# KiCad board pi60_RGB_v2.0_usb.kicad_pcb (continued)
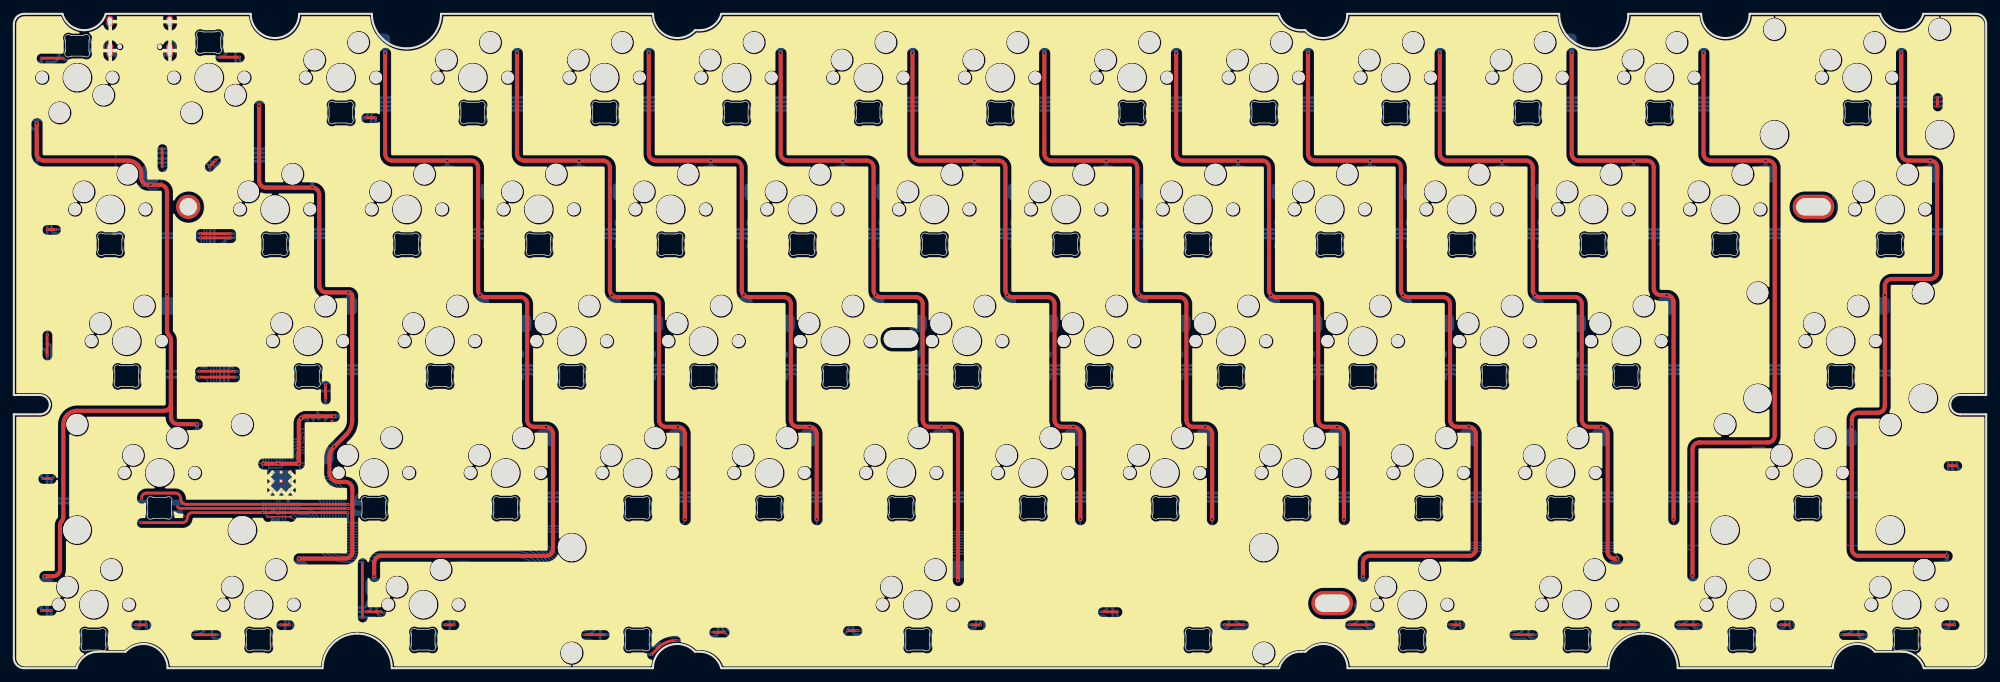
[diagram p0: board, top side]
## Nets
+1V1: C1.1 C2.1 C10.1 U2.23 U2.45 U2.50
+3V3: C3.1 C4.1 C5.1 C6.1 C7.1 C8.1 C9.1 C11.1 C12.1 C14.1 U2.1 U2.10 U2.22 U2.33 U2.42 U2.43 U2.44 U2.48 U2.49 U3.8 U5.2
+5V: C13.1 D62.1 D63.1 D64.1 D65.1 D66.1 D67.1 D68.1 D69.1 D70.1 D71.1 D72.1 D73.1 D74.1 D75.1 D76.1 D77.1 D78.1 D79.1 D80.1 D81.1 D82.1 D83.1 D84.1 D85.1 D86.1 D87.1 D88.1 D89.1 D90.1 D91.1 D92.1 D93.1 D94.1 D95.1 D96.1 D97.1 D98.1 D99.1 D100.1 D101.1 D102.1 D103.1 D104.1 D105.1 D106.1 D107.1 D108.1 D109.1 D110.1 D111.1 D112.1 D113.1 D114.1 D115.1 D116.1 D117.1 D118.1 D119.1 D120.1 D121.1 D122.1 D123.1 D125.1 D126.1 D127.1 D128.1 D129.1 D130.1 D131.1 D132.1 D133.1 D134.1 D135.1 D136.1 D137.1 D138.1 D139.1 D140.1 D141.1 D142.1 D143.1 D144.1 D145.1 D146.1 D147.1 D148.1 D149.1 D150.1 D151.1 D152.1 D153.1 D154.1 D155.1 D156.1 D157.1 D158.1 D159.1 D160.1 D161.1 D162.1 D163.1 D164.1 D165.1 F1.1 J2.1 U5.3
GND: C1.2 C2.2 C3.2 C4.2 C5.2 C6.2 C7.2 C8.2 C9.2 C10.2 C11.2 C12.2 C13.2 C14.2 C15.2 D62.3 D63.3 D64.3 D65.3 D66.3 D67.3 D68.3 D69.3 D70.3 D71.3 D72.3 D73.3 D74.3 D75.3 D76.3 D77.3 D78.3 D79.3 D80.3 D81.3 D82.3 D83.3 D84.3 D85.3 D86.3 D87.3 D88.3 D89.3 D90.3 D91.3 D92.3 D93.3 D94.3 D95.3 D96.3 D97.3 D98.3 D99.3 D100.3 D101.3 D102.3 D103.3 D104.3 D105.3 D106.3 D107.3 D108.3 D109.3 D110.3 D111.3 D112.3 D113.3 D114.3 D115.3 D116.3 D117.3 D118.3 D119.3 D120.3 D121.3 D122.3 D123.3 D125.3 D126.3 D127.3 D128.3 D129.3 D130.3 D131.3 D132.3 D133.3 D134.3 D135.3 D136.3 D137.3 D138.3 D139.3 D140.3 D141.3 D142.3 D143.3 D144.3 D145.3 D146.3 D147.3 D148.3 D149.3 D150.3 D151.3 D152.3 D153.3 D154.3 D155.3 D156.3 D157.3 D158.3 D159.3 D160.3 D161.3 D162.3 D163.3 D164.3 D165.3 J2.4 R7.1 R8.1 SW1.2 U2.19 U2.57 U3.4 U4.5 U4.8 U5.1 USB1.1 USB1.12 USB1.13 Y1.2
VCC: C15.1 F1.2 U4.1 USB1.2 USB1.11
/QSPI_SCLK: U2.52 U3.6
/QSPI_SD0: U2.53 U3.5
/QSPI_SD1: U2.55 U3.2
/QSPI_SD2: U2.54 U3.3
/QSPI_SD3: U2.51 U3.7
/QSPI_SS: R4.1 U2.56 U3.1
/RUN: U2.26
/SWCLK: U2.24
/SWD: U2.25
/XIN: U2.20 Y1.3
/XOUT: U2.21 Y1.1
C0: K1.2 K15.2 K29.2 K42.2 K54.1 U2.37
C1: K2.1 K16.2 K30.2 K43.1 K55.2 U2.3
C2: K3.2 K17.2 K31.2 K44.2 K56.1 U2.18
C3: K4.2 K18.2 K32.2 K45.2 U2.6
C4: K5.2 K19.2 K33.2 K46.2 U2.7
C5: K6.2 K20.2 K34.2 K47.2 K57.2 U2.17
C6: K7.2 K21.2 K35.2 K48.2 U2.8
C7: K8.2 K22.2 K36.2 K49.2 U2.9
C8: K9.2 K23.2 K37.2 K50.2 U2.11
C9: K10.2 K24.2 K38.2 K51.2 K58.1 U2.16
C10: K11.2 K25.2 K39.2 K52.2 K59.2 U2.15
C11: K12.2 K26.2 K40.2 U2.12
C12: K13.2 K27.2 K60.1 U2.14
C13: K14.2 K28.2 K41.2 K53.2 K61.2 U2.13
CC1: R7.2 USB1.4
CC2: R8.2 USB1.10
DN_MCU: J2.2 R2.1 U4.7
DN_USB: U4.2 USB1.5 USB1.7
DP_MCU: J2.3 R1.1 U4.6
DP_USB: U4.3 USB1.6 USB1.8
LED: D140.4 U2.40
R0: D1.1 D2.1 D3.1 D4.1 D5.1 D6.1 D7.1 D8.1 D9.1 D10.1 D11.1 D12.1 D13.1 D14.1 U2.41
R1: D15.1 D16.1 D17.1 D18.1 D19.1 D20.1 D21.1 D22.1 D23.1 D24.1 D25.1 D26.1 D27.1 D28.1 U2.39
R2: D29.1 D30.1 D31.1 D32.1 D33.1 D34.1 D35.1 D36.1 D37.1 D38.1 D39.1 D40.1 D41.1 U2.38
R3: D42.1 D43.1 D44.1 D45.1 D46.1 D47.1 D48.1 D49.1 D50.1 D51.1 D52.1 D53.1 U2.28
R4: D54.1 D55.1 D56.1 D57.1 D58.1 D59.1 D60.1 D61.1 U2.27
Net-(D1-A): D1.2 K1.1
Net-(D2-A): D2.2 K2.2
Net-(D3-A): D3.2 K3.1
Net-(D4-A): D4.2 K4.1
Net-(D5-A): D5.2 K5.1
Net-(D6-A): D6.2 K6.1
Net-(D7-A): D7.2 K7.1
Net-(D8-A): D8.2 K8.1
Net-(D9-A): D9.2 K9.1
Net-(D10-A): D10.2 K10.1
Net-(D11-A): D11.2 K11.1
Net-(D12-A): D12.2 K12.1
Net-(D13-A): D13.2 K13.1
Net-(D14-A): D14.2 K14.1
Net-(D15-A): D15.2 K15.1
Net-(D16-A): D16.2 K16.1
Net-(D17-A): D17.2 K17.1
Net-(D18-A): D18.2 K18.1
Net-(D19-A): D19.2 K19.1
Net-(D20-A): D20.2 K20.1
Net-(D21-A): D21.2 K21.1
Net-(D22-A): D22.2 K22.1
Net-(D23-A): D23.2 K23.1
Net-(D24-A): D24.2 K24.1
Net-(D25-A): D25.2 K25.1
Net-(D26-A): D26.2 K26.1
Net-(D27-A): D27.2 K27.1
Net-(D28-A): D28.2 K28.1
Net-(D29-A): D29.2 K29.1
Net-(D30-A): D30.2 K30.1
Net-(D31-A): D31.2 K31.1
Net-(D32-A): D32.2 K32.1
Net-(D33-A): D33.2 K33.1
Net-(D34-A): D34.2 K34.1
Net-(D35-A): D35.2 K35.1
Net-(D36-A): D36.2 K36.1
Net-(D37-A): D37.2 K37.1
Net-(D38-A): D38.2 K38.1
Net-(D39-A): D39.2 K39.1
Net-(D40-A): D40.2 K40.1
Net-(D41-A): D41.2 K41.1
Net-(D42-A): D42.2 K42.1
Net-(D43-A): D43.2 K43.2
Net-(D44-A): D44.2 K44.1
Net-(D45-A): D45.2 K45.1
Net-(D46-A): D46.2 K46.1
Net-(D47-A): D47.2 K47.1
Net-(D48-A): D48.2 K48.1
Net-(D49-A): D49.2 K49.1
Net-(D50-A): D50.2 K50.1
Net-(D51-A): D51.2 K51.1
Net-(D52-A): D52.2 K52.1
Net-(D53-A): D53.2 K53.1
Net-(D54-A): D54.2 K54.2
Net-(D55-A): D55.2 K55.1
Net-(D56-A): D56.2 K56.2
Net-(D57-A): D57.2 K57.1
Net-(D58-A): D58.2 K58.2
Net-(D59-A): D59.2 K59.1
Net-(D60-A): D60.2 K60.2
Net-(D61-A): D61.2 K61.1
Net-(D62-DOUT): D62.2 D63.4
Net-(D76-DIN): D76.4 D77.2
Net-(D77-DIN): D77.4 D78.2
Net-(D78-DIN): D78.4 D79.2
Net-(D79-DIN): D79.4 D80.2
Net-(D80-DIN): D80.4 D81.2
Net-(D81-DIN): D81.4 D82.2
Net-(D82-DIN): D82.4 D83.2
Net-(D83-DIN): D83.4 D84.2
Net-(D84-DIN): D84.4 D85.2
Net-(D85-DIN): D85.4 D86.2
Net-(D86-DIN): D86.4 D87.2
Net-(D87-DIN): D87.4 D88.2
Net-(D88-DIN): D88.4 D89.2
Net-(D90-DOUT): D90.2 D91.4
Net-(D91-DOUT): D91.2 D92.4
Net-(D92-DOUT): D92.2 D93.4
Net-(D93-DOUT): D93.2 D94.4
Net-(D94-DOUT): D94.2 D95.4
Net-(D95-DOUT): D95.2 D96.4
Net-(D96-DOUT): D96.2 D97.4
Net-(D97-DOUT): D97.2 D98.4
Net-(D98-DOUT): D98.2 D99.4
Net-(D100-DIN): D99.2 D100.4
Net-(D100-DOUT): D100.2 D101.4
Net-(D101-DOUT): D101.2 D102.4
Net-(D102-DOUT): D102.2 D138.4
Net-(D103-DIN): D103.4 D104.2
Net-(D103-DOUT): D103.2 D143.4
Net-(D104-DIN): D104.4 D105.2
Net-(D105-DIN): D105.4 D106.2
Net-(D106-DIN): D106.4 D107.2
Net-(D107-DIN): D107.4 D108.2
Net-(D108-DIN): D108.4 D109.2
Net-(D109-DIN): D109.4 D110.2
Net-(D110-DIN): D110.4 D111.2
Net-(D111-DIN): D111.4 D112.2
Net-(D112-DIN): D112.4 D113.2
Net-(D113-DIN): D113.4 D114.2
Net-(D114-DIN): D114.4 D139.2
Net-(D115-DIN): D115.4 D160.2
Net-(D115-DOUT): D115.2 D148.4
Net-(D116-DIN): D116.4 D161.2
Net-(D116-DOUT): D116.2 D160.4
Net-(D117-DIN): D117.4 D118.2
Net-(D117-DOUT): D117.2 D161.4
Net-(D118-DIN): D118.4 D162.2
Net-(D119-DIN): D119.4 D149.2
Net-(D119-DOUT): D119.2 D162.4
Net-(D120-DIN): D120.4 D145.2
Net-(D120-DOUT): D120.2 D144.4
Net-(D121-DIN): D121.4 D146.2
Net-(D121-DOUT): D121.2 D157.4
Net-(D122-DIN): D122.4 D147.2
Net-(D122-DOUT): D122.2 D158.4
Net-(D123-DIN): D63.2 D123.4
Net-(D123-DOUT): D64.4 D123.2
Net-(D125-DIN): D64.2 D125.4
Net-(D125-DOUT): D65.4 D125.2
Net-(D126-DIN): D65.2 D126.4
Net-(D126-DOUT): D66.4 D126.2
Net-(D127-DIN): D66.2 D127.4
Net-(D127-DOUT): D67.4 D127.2
Net-(D128-DIN): D67.2 D128.4
Net-(D128-DOUT): D68.4 D128.2
Net-(D129-DIN): D68.2 D129.4
Net-(D129-DOUT): D69.4 D129.2
Net-(D130-DIN): D69.2 D130.4
Net-(D130-DOUT): D70.4 D130.2
Net-(D131-DIN): D70.2 D131.4
Net-(D131-DOUT): D71.4 D131.2
Net-(D132-DIN): D71.2 D132.4
Net-(D132-DOUT): D72.4 D132.2
Net-(D133-DIN): D72.2 D133.4
Net-(D133-DOUT): D73.4 D133.2
Net-(D134-DIN): D73.2 D134.4
Net-(D134-DOUT): D74.4 D134.2
Net-(D135-DIN): D74.2 D135.4
Net-(D135-DOUT): D75.4 D135.2
Net-(D136-DIN): D75.2 D136.4
Net-(D136-DOUT): D136.2 D137.4
Net-(D137-DOUT): D89.4 D137.2
Net-(D138-DOUT): D138.2 D139.4
Net-(D140-DOUT): D62.4 D140.2
Net-(D141-DIN): D76.2 D141.4
Net-(D141-DOUT): D141.2 D142.4
Net-(D142-DOUT): D90.4 D142.2
Net-(D143-DOUT): D143.2 D144.2
Net-(D145-DIN): D145.4 D157.2
Net-(D146-DIN): D146.4 D158.2
Net-(D147-DIN): D147.4 D159.2
Net-(D148-DOUT): D148.2 D159.4
Net-(D149-DIN): D149.4 D150.2
Net-(D150-DIN): D150.4 D163.2
Net-(D151-DIN): D151.4 D164.2
Net-(D151-DOUT): D151.2 D163.4
Net-(D152-DIN): D152.4 D153.2
Net-(D152-DOUT): D152.2 D164.4
Net-(D153-DIN): D153.4 D165.2
Net-(D154-DIN): D154.4 D155.2
Net-(D154-DOUT): D154.2 D165.4
Net-(D155-DIN): D155.4 D156.2
Net-(R4-Pad2): R4.2 SW1.1
Net-(U2-USB_DM): R2.2 U2.46
Net-(U2-USB_DP): R1.2 U2.47

Pads without a net: D156 4; J2 NC1 NC2; U2 2 4 5 29 30 31 32 34 35 36; U3 9; U4 4; USB1 3 9

## Via types
v1: diameter 0.4, hole 0.2, Top to Bottom, 199 vias
v2: diameter 0.6, hole 0.3, Top to Bottom, 76 vias

## Routing (per net, layer and track width the routed paths; a pad name or vN(x,y) marks a point on that pad's centre or on a via; arc(x,y) is an arc through that point)
+1V1: length 18.5
  Bottom w0.2: 37.39,22.88 37.72,22.88 arc(37.93,22.97) 38.02,23.18 U2.23 38.02,24.85 arc(37.93,25.07) 37.72,25.15 37.02,25.15 arc(36.81,25.24) 36.72,25.45 36.72,28.66 arc(36.81,28.87) 37.02,28.96 ; 37.02,28.96 38.52,28.96 arc(38.73,29.05) 38.82,29.26 U2.50 38.82,31.81 arc(38.91,32.26) 39.17,32.65 arc(39.42,33.03) 39.52,33.49 C1.1 ; 37.02,28.96 arc(36.88,29.02) 36.82,29.16 U2.45 36.82,32.03 arc(36.76,32.18) 36.62,32.23 C10.1
+3V3: length 58.3
  Top w0.6: v2(36.06,29.56) v2(38.22,29.56) v2(41.18,29.56) 41.18,35.42 arc(41.47,36.13) 42.18,36.42 v2(46.26,36.42)
  Bottom w0.2: v2(36.06,29.56) 35.92,29.42 35.92,26.36 arc(35.83,26.15) 35.62,26.06 U2.33 34.27,26.06 C5.1 ; v2(36.06,29.56) 35.96,29.66 U2.42 34.06,29.66 ; v2(36.06,29.56) 36.02,29.6 U2.43 36.02,30.93 arc(35.96,31.08) 35.82,31.13 34.26,31.13 arc(34.11,31.08) 34.06,30.93 C8.1 ; v2(36.06,29.56) 36.26,29.76 arc(36.38,29.93) 36.42,30.14 U2.44 36.42,31.41 arc(36.36,31.56) 36.22,31.61 C11.1 ; U3.8 42.47,35.99 ; 38.49,32.54 38.61,32.66 arc(38.67,32.74) 38.69,32.83 C3.1 ; 38.49,32.54 38.09,32.14 arc(38.04,32.06) 38.02,31.96 U2.48 38.02,29.88 arc(38.04,29.77) 38.11,29.67 v2(38.22,29.56) 38.33,29.68 arc(38.4,29.77) 38.42,29.89 U2.49 38.42,32.36 arc(38.44,32.46) 38.49,32.54 ; 43.13,29.66 U2.1 41.28,29.66 v2(41.18,29.56) 41.32,29.42 41.32,26.36 arc(41.41,26.15) 41.62,26.06 ; 38.42,22.37 U2.22 38.42,24.86 arc(38.51,25.07) 38.72,25.16 41.02,25.16 arc(41.23,25.25) 41.32,25.46 41.32,25.76 arc(41.41,25.97) 41.62,26.06 ; 41.62,26.06 U2.10 44.9,26.06 C6.1
  Bottom w0.4: U5.2 47.29,35.51 C14.1
  Bottom w0.6: C12.1 v2(41.49,36.14) ; U5.2 v2(46.26,36.42)
+5V: length 2153.6
  Top w0.4: v1(240.59,6.26) v1(243.3,6.26) ; v1(231.55,6.26) 234.28,6.26 v1(234.28,6.26) ; v1(264.41,4.83) 267.13,4.83 ; v1(50.96,8.15) 53.03,8.15 ; v1(157.32,8.15) v1(159.42,8.15) ; v1(17.65,6.26) v1(19.1,6.26) ; v1(120.48,5.43) 120.49,5.43 v1(121.85,5.43) ; v1(6.04,63.41) v1(4.81,63.41) ; v1(38.6,6.26) v1(39.8,6.26) ; v1(62.41,6.26) v1(63.61,6.26) ; v1(256.61,6.26) v1(255.37,6.26) ; v1(82.63,4.83) v1(85.33,4.83) ; v1(277.96,82.46) v1(277.96,81.26) ; v1(29.8,88.34) 32.5,88.34 ; v1(50.87,79.57) v1(52.25,79.57) ; v1(3.96,8.34) v1(5.41,8.34) ; v1(208.98,6.26) v1(207.74,6.26) ; v1(48.21,23.69) 24.93,23.69 arc(24.36,23.93) 24.12,24.5 arc(23.88,25.08) 23.31,25.31 19.16,25.31 arc(18.66,25.11) 18.46,24.61 v1(18.46,24.53) ; v1(45.04,38.88) v1(45.04,40.85) ; v1(280.38,6.26) v1(279.18,6.26) ; v1(138.47,6.26) v1(139.69,6.26) ; v1(4.21,27.4) v1(5.41,27.4) ; v1(3.96,88.18) v1(7.1,88.18) ; v1(29.22,4.83) v1(26.28,4.83) ; v1(4.81,48.15) v1(4.81,45.25) ; v1(101.16,5.2) v1(102.66,5.2) ; v1(279.54,29.28) v1(280.77,29.28) ; v1(216.77,4.83) 219.49,4.83 ; v1(193.03,6.26) 195.97,6.26 ; v1(174.98,6.26) v1(177.71,6.26)
  Bottom w0.4: 134.03,85.18 134.03,83.45 arc(134.32,82.74) 135.03,82.45 149.37,82.45 arc(150.08,82.74) 150.37,83.45 150.37,85.31 arc(150.7,86.1) 151.5,86.43 151.82,86.43 arc(152.27,86.25) 152.45,85.81 ; 134.03,85.18 134.03,83.44 arc(134.32,82.73) 135.03,82.44 ; 134.03,85.18 arc(133.84,85.63) 133.4,85.81 ; 134.03,85.18 arc(133.84,85.63) 133.4,85.81 ; v1(267.14,4.83) 270.84,4.83 ; 256.61,8.78 256.61,6.33 arc(257.05,5.27) 258.11,4.83 v1(264.41,4.83) arc(265.47,5.27) 265.91,6.33 265.91,8.78 ; v1(121.85,5.43) 126.65,5.43 arc(127.38,5.28) D116.1 127.99,5.26 arc(128.29,5.97) 128.99,6.26 138.46,6.26 ; D79.1 73.23,62.41 arc(73.52,63.12) 74.23,63.41 90.08,63.41 arc(91.21,62.95) 91.67,61.82 ; 114.98,85.18 114.98,83.45 arc(115.27,82.74) 115.98,82.45 130.33,82.45 arc(131.03,82.74) 131.33,83.45 131.33,85.31 arc(131.65,86.1) 132.45,86.43 132.78,86.43 arc(133.22,86.25) 133.4,85.81 ; 114.98,85.18 114.98,83.44 arc(115.27,82.73) 115.98,82.44 ; 114.98,85.18 arc(114.79,85.63) 114.35,85.81 arc(114.79,85.63) 114.98,85.18 ; 266.54,41.47 266.54,41.07 arc(266.25,40.37) 265.54,40.07 260.54,40.07 arc(259.84,40.37) 259.54,41.07 259.54,41.66 arc(259.1,42.72) 258.04,43.16 238.29,43.16 arc(237.23,42.72) 236.79,41.66 236.79,41.65 arc(236.73,41.52) 236.61,41.47 235.59,41.47 235.59,41.07 arc(235.29,40.37) 234.59,40.07 229.59,40.07 arc(228.88,40.37) 228.59,41.07 228.59,41.66 arc(228.15,42.72) 227.09,43.16 219.24,43.16 arc(218.18,42.72) 217.74,41.66 217.74,41.65 arc(217.68,41.52) 217.56,41.47 216.54,41.47 216.54,41.07 arc(216.24,40.37) 215.54,40.07 210.54,40.07 arc(209.83,40.37) 209.54,41.07 209.54,41.66 arc(209.1,42.72) 208.04,43.16 200.19,43.16 arc(199.13,42.72) 198.69,41.66 198.69,41.65 arc(198.63,41.52) 198.51,41.47 197.49,41.47 197.49,41.07 arc(197.19,40.37) 196.49,40.07 191.49,40.07 arc(190.78,40.37) 190.49,41.07 190.49,41.66 arc(190.05,42.72) 188.99,43.16 181.14,43.16 arc(180.08,42.72) 179.64,41.66 179.64,41.65 arc(179.58,41.52) 179.46,41.47 178.44,41.47 178.44,41.07 arc(178.14,40.37) 177.44,40.07 172.44,40.07 arc(171.73,40.37) 171.44,41.07 171.44,41.66 arc(171,42.72) 169.94,43.16 162.09,43.16 arc(161.03,42.72) 160.59,41.66 160.59,41.65 arc(160.53,41.52) 160.41,41.47 159.39,41.47 159.39,41.07 arc(159.09,40.37) 158.39,40.07 153.39,40.07 arc(152.68,40.37) 152.39,41.07 152.39,41.66 arc(151.95,42.72) 150.89,43.16 143.04,43.16 arc(141.98,42.72) 141.54,41.66 141.54,41.65 arc(141.48,41.52) 141.36,41.47 140.34,41.47 140.34,41.07 arc(140.04,40.37) 139.34,40.07 134.34,40.07 arc(133.63,40.37) 133.34,41.07 133.34,41.66 arc(132.9,42.72) 131.84,43.16 123.99,43.16 arc(122.93,42.72) 122.49,41.66 122.49,41.65 arc(122.43,41.52) 122.31,41.47 121.29,41.47 121.29,41.07 arc(120.99,40.37) 120.29,40.07 115.29,40.07 arc(114.58,40.37) 114.29,41.07 114.29,41.66 arc(113.85,42.72) 112.79,43.16 104.94,43.16 arc(103.88,42.72) 103.44,41.66 103.44,41.65 arc(103.38,41.52) 103.26,41.47 102.24,41.47 102.24,41.07 arc(101.94,40.37) 101.24,40.07 96.24,40.07 arc(95.53,40.37) 95.24,41.07 95.24,41.66 arc(94.8,42.72) 93.74,43.16 85.89,43.16 arc(84.83,42.72) 84.39,41.66 84.39,41.65 arc(84.33,41.52) 84.21,41.47 83.19,41.47 83.19,41.07 arc(82.89,40.37) 82.19,40.07 77.19,40.07 arc(76.48,40.37) 76.19,41.07 76.19,41.66 arc(75.75,42.72) 74.69,43.16 66.84,43.16 arc(65.78,42.72) 65.34,41.66 65.34,41.65 arc(65.28,41.52) 65.16,41.47 64.14,41.47 64.14,41.07 arc(63.84,40.37) 63.14,40.07 58.14,40.07 arc(57.43,40.37) 57.14,41.07 57.14,41.66 arc(56.7,42.72) 55.64,43.16 47.79,43.16 arc(46.73,42.72) 46.29,41.66 46.29,41.65 arc(46.23,41.52) 46.11,41.47 45.09,41.47 ; D153.1 245.84,4.87 arc(245.53,4.93) 245.27,5.1 244.54,5.84 arc(244.07,6.15) 243.51,6.26 v1(243.3,6.26) ; 95.93,85.2 95.93,83.46 arc(96.22,82.76) 96.93,82.46 111.28,82.46 arc(111.98,82.76) 112.28,83.46 112.28,85.32 arc(112.6,86.12) 113.4,86.45 113.73,86.45 arc(114.17,86.27) D128.1 ; 95.93,85.2 95.93,83.46 arc(96.22,82.75) 96.93,82.46 ; 95.93,85.2 arc(95.74,85.64) D127.1 ; 95.93,85.2 arc(95.74,85.64) D127.1 ; D150.1 208.98,6.33 arc(209.41,5.27) 210.48,4.83 v1(216.77,4.83) arc(217.84,5.27) 218.27,6.33 D163.1 ; D62.1 11.75,88.84 arc(11.46,88.13) 10.75,87.84 7.93,87.84 arc(7.48,87.93) v1(7.1,88.19) ; D139.1 281.04,28.81 280.9,28.95 arc(280.8,29.1) v1(280.77,29.28) 280.77,34.78 arc(280.57,35.75) 280.02,36.58 279.84,36.76 arc(279.43,37.38) 279.28,38.11 arc(279.43,38.84) 279.84,39.46 280.47,40.09 arc(281.35,41.41) 281.66,42.97 281.66,47.1 arc(281.48,47.54) D138.1 ; 17.65,6.26 12.85,6.26 12.73,6.26 9.93,6.26 arc(9.22,5.97) 8.93,5.26 D120.1 6.41,4.87 arc(5.71,5.16) 5.41,5.87 v1(5.41,8.34) ; D89.1 268.49,62.41 arc(268.78,63.11) 269.49,63.41 278.55,63.41 arc(279.25,63.7) 279.55,64.41 279.55,67.2 arc(279.72,67.63) 280.15,67.8 280.3,67.8 arc(280.84,68.03) 281.06,68.56 281.06,80.26 arc(280.77,80.96) 280.06,81.26 271.62,81.26 arc(270.56,80.82) 270.12,79.76 270.12,79.75 arc(270.07,79.62) 269.94,79.57 268.92,79.57 268.92,79.17 arc(268.63,78.47) 267.92,78.17 262.92,78.17 arc(262.22,78.47) 261.92,79.17 261.92,79.76 arc(261.49,80.82) 260.42,81.26 243.05,81.26 arc(241.99,80.82) 241.55,79.76 241.55,79.75 arc(241.5,79.62) 241.37,79.57 D74.1 ; D78.1 54.18,62.41 arc(54.47,63.12) 55.18,63.41 71.03,63.41 arc(72.16,62.95) 72.62,61.82 ; 57.83,85.2 57.83,83.46 arc(58.12,82.76) 58.83,82.46 73.18,82.46 arc(73.88,82.76) 74.18,83.46 74.18,85.32 arc(74.5,86.12) 75.3,86.45 75.63,86.45 arc(76.07,86.27) D126.1 ; 57.83,85.2 57.83,83.46 arc(58.12,82.75) 58.83,82.46 ; 57.83,85.2 arc(57.64,85.64) D125.1 ; 57.83,85.2 arc(57.64,85.64) D125.1 ; D121.1 32.74,5.26 arc(33.04,5.97) 33.74,6.26 38.59,6.26 ; D80.1 92.28,62.41 arc(92.57,63.12) 93.28,63.41 109.13,63.41 arc(110.26,62.95) 110.72,61.82 ; v1(255.37,6.26) 248.07,6.26 arc(247.36,5.97) 247.07,5.26 247.07,4.87 ; 191.17,85.18 191.17,83.45 arc(191.47,82.74) 192.17,82.45 206.52,82.45 arc(207.23,82.74) 207.52,83.45 207.52,85.31 arc(207.85,86.1) 208.65,86.43 208.97,86.43 arc(209.42,86.25) 209.6,85.81 ; 191.17,85.18 191.17,83.44 arc(191.47,82.73) 192.17,82.44 ; 191.17,85.18 arc(190.99,85.63) 190.55,85.81 ; 191.17,85.18 arc(190.99,85.63) 190.55,85.81 ; D164.1 232.78,7.76 arc(233.22,6.7) v1(234.28,6.26) v1(240.59,6.26) arc(241.65,6.7) 242.09,7.76 D152.1 ; D122.1 56.56,5.26 arc(56.85,5.97) 57.56,6.26 62.4,6.26 ; 48.41,23.69 49.18,23.69 D104.1 ; D68.1 126.05,79.17 arc(125.76,78.47) 125.05,78.17 120.05,78.17 arc(119.34,78.47) 119.05,79.17 119.05,79.76 arc(118.61,80.82) 117.55,81.26 109.7,81.26 arc(108.64,80.82) 108.2,79.76 108.2,79.75 arc(108.15,79.62) 108.02,79.57 D67.1 107,79.17 arc(106.71,78.47) 106,78.17 101,78.17 arc(100.29,78.47) 100,79.17 100,79.76 arc(99.56,80.82) 98.5,81.26 90.65,81.26 arc(89.59,80.82) 89.15,79.76 89.15,79.75 arc(89.1,79.62) 88.97,79.57 D66.1 87.95,79.17 arc(87.66,78.47) 86.95,78.17 81.95,78.17 arc(81.24,78.47) 80.95,79.17 80.95,79.76 arc(80.51,80.82) 79.45,81.26 71.6,81.26 arc(70.54,80.82) 70.1,79.76 70.1,79.75 arc(70.05,79.62) 69.92,79.57 D65.1 68.9,79.17 arc(68.61,78.47) 67.9,78.17 62.9,78.17 arc(62.19,78.47) 61.9,79.17 61.9,79.76 arc(61.46,80.82) 60.4,81.26 52.55,81.26 arc(51.49,80.82) 51.05,79.76 51.05,79.75 arc(51,79.62) v1(50.87,79.57) D64.1 ; 207.74,6.26 v1(207.74,6.26) 200.43,6.26 arc(199.72,5.97) 199.43,5.26 D149.1 ; D141.1 v1(4.81,48.15) D142.1 ; D145.1 v1(19.1,6.26) arc(19.52,5.25) 20.53,4.83 v1(26.28,4.83) arc(27.34,5.27) 27.78,6.33 D157.1 ; 153.07,85.18 153.07,83.44 arc(153.37,82.73) 154.07,82.44 ; 153.07,85.18 153.07,83.45 arc(153.37,82.74) 154.07,82.45 168.42,82.45 arc(169.13,82.74) 169.42,83.45 169.42,85.31 arc(169.75,86.1) 170.55,86.43 170.87,86.43 arc(171.32,86.25) 171.5,85.81 ; 153.07,85.18 arc(152.89,85.63) 152.45,85.81 ; 153.07,85.18 arc(152.89,85.63) 152.45,85.81 ; D162.1 176.21,7.76 arc(176.65,6.7) v1(177.71,6.26) v1(193.03,6.26) arc(194.09,6.7) 194.53,7.76 D119.1 ; v1(4.21,27.4) 3.96,27.65 D143.1 ; D81.1 111.33,62.41 arc(111.62,63.12) 112.33,63.41 128.18,63.41 arc(129.31,62.95) 129.77,61.82 ; v1(174.98,6.26) 169.47,6.26 arc(168.77,5.97) 168.47,5.26 D118.1 160.43,4.87 arc(159.72,5.16) 159.43,5.87 159.43,8.15 v1(159.42,8.15) ; 229.27,85.2 229.27,83.46 arc(229.57,82.76) 230.27,82.46 249.39,82.46 arc(250.09,82.76) 250.39,83.46 250.39,85.32 arc(250.72,86.12) 251.51,86.45 251.84,86.45 arc(252.28,86.27) D135.1 arc(252.9,85.64) 253.09,85.2 253.09,83.46 arc(253.38,82.76) 254.09,82.46 v1(277.96,82.46) arc(278.67,82.76) 278.96,83.46 278.96,85.32 arc(279.29,86.12) 280.09,86.45 280.41,86.45 arc(280.85,86.27) D136.1 281.14,85.82 arc(281.93,85.5) 282.26,84.7 282.26,67.04 arc(281.93,66.25) 281.14,65.92 D137.1 ; 229.27,85.2 229.27,83.46 arc(229.57,82.75) 230.27,82.46 ; 229.27,85.2 arc(229.09,85.64) D134.1 arc(229.09,85.64) 229.27,85.2 ; 6.31,43.16 10.39,43.16 arc(11.45,42.72) 11.89,41.66 11.89,41.07 arc(12.19,40.37) 12.89,40.07 17.89,40.07 arc(18.6,40.37) 18.89,41.07 18.89,41.47 ; 6.31,43.16 arc(5.25,43.6) 4.81,44.66 v1(4.81,45.25) arc(4.52,45.96) 3.81,46.25 3.56,46.25 arc(3.33,46.3) 3.13,46.43 3.11,46.45 arc(2.98,46.65) 2.94,46.87 arc(2.98,47.1) 3.11,47.3 3.14,47.32 arc(3.29,47.55) 3.34,47.81 3.34,77.21 arc(3.09,77.82) 2.49,78.06 arc(1.88,78.31) 1.63,78.92 1.63,86.61 arc(1.93,87.32) 2.63,87.61 D140.1 v1(3.96,88.18) ; 6.31,43.16 arc(5.98,43.02) 5.85,42.69 5.85,30.3 ; 270.88,4.87 270.88,5.26 arc(271.17,5.97) 271.88,6.26 279.18,6.26 ; 29.24,4.83 32.73,4.83 ; D148.1 87.51,5.26 arc(87.81,5.97) 88.51,6.26 93.58,6.26 arc(93.95,6.11) 94.11,5.73 arc(94.27,5.36) 94.64,5.2 v1(101.16,5.2) ; v1(18.46,24.53) D103.1 17.32,23.92 arc(16.96,23.99) 16.65,24.2 arc(16.34,24.41) 15.97,24.48 6.41,24.48 arc(5.71,24.77) 5.41,25.48 v1(5.41,27.4) arc(5.72,27.53) 5.85,27.83 5.85,30.3 ; F1.1 19.6,77.18 19.6,75.23 arc(19.81,74.7) 20.35,74.48 42.93,74.48 arc(43.31,74.56) 43.64,74.78 44.69,75.83 ; D151.1 223.24,5.26 arc(223.54,5.97) 224.24,6.26 231.54,6.26 v1(231.55,6.26) ; 210.22,85.18 210.22,83.44 arc(210.52,82.73) 211.22,82.44 ; 210.22,85.18 210.22,83.45 arc(210.52,82.74) 211.22,82.45 225.57,82.45 arc(226.28,82.74) 226.57,83.45 226.57,85.31 arc(226.9,86.1) 227.7,86.43 228.02,86.43 arc(228.47,86.25) 228.65,85.81 ; 210.22,85.18 arc(210.04,85.63) 209.6,85.81 ; 210.22,85.18 arc(210.04,85.63) 209.6,85.81 ; 172.12,85.18 172.12,83.44 arc(172.42,82.73) 173.12,82.44 ; 172.12,85.18 172.12,83.45 arc(172.42,82.74) 173.12,82.45 187.47,82.45 arc(188.18,82.74) 188.47,83.45 188.47,85.31 arc(188.8,86.1) 189.6,86.43 189.92,86.43 arc(190.37,86.25) 190.55,85.81 ; 172.12,85.18 arc(171.94,85.63) 171.5,85.81 ; 172.12,85.18 arc(171.94,85.63) 171.5,85.81 ; v1(52.25,79.57) 52.25,77.57 arc(51.81,76.51) 50.75,76.07 46.25,76.07 ; v1(280.38,6.26) 280.38,8.75 ; 126.05,79.55 127.07,79.55 arc(127.2,79.61) 127.25,79.73 127.25,79.74 arc(127.69,80.8) 128.75,81.24 136.6,81.24 arc(137.66,80.8) 138.1,79.74 138.1,79.16 arc(138.39,78.45) 139.1,78.16 144.1,78.16 arc(144.81,78.45) 145.1,79.16 145.1,79.55 146.12,79.55 arc(146.25,79.61) 146.3,79.73 146.3,79.74 arc(146.74,80.8) 147.8,81.24 155.65,81.24 arc(156.71,80.8) 157.15,79.74 157.15,79.16 arc(157.44,78.45) 158.15,78.16 163.15,78.16 arc(163.86,78.45) 164.15,79.16 164.15,79.55 165.17,79.55 arc(165.3,79.61) 165.35,79.73 165.35,79.74 arc(165.79,80.8) 166.85,81.24 174.7,81.24 arc(175.76,80.8) 176.2,79.74 176.2,79.16 arc(176.49,78.45) 177.2,78.16 182.2,78.16 arc(182.91,78.45) 183.2,79.16 183.2,79.55 184.22,79.55 arc(184.35,79.61) 184.4,79.73 184.4,79.74 arc(184.84,80.8) 185.9,81.24 193.75,81.24 arc(194.81,80.8) 195.25,79.74 195.25,79.16 arc(195.54,78.45) 196.25,78.16 201.25,78.16 arc(201.96,78.45) 202.25,79.16 202.25,79.55 203.27,79.55 arc(203.4,79.61) 203.45,79.73 203.45,79.74 arc(203.89,80.8) 204.95,81.24 212.8,81.24 arc(213.86,80.8) 214.3,79.74 214.3,79.16 arc(214.59,78.45) 215.3,78.16 220.3,78.16 arc(221.01,78.45) 221.3,79.16 221.3,79.55 222.32,79.55 arc(222.45,79.61) 222.5,79.73 222.5,79.74 arc(222.94,80.8) 224,81.24 231.85,81.24 arc(232.91,80.8) 233.35,79.74 233.35,79.16 arc(233.64,78.45) 234.35,78.16 239.35,78.16 arc(240.06,78.45) 240.35,79.16 240.35,79.55 ; 47.02,64.41 47.02,75.3 arc(46.79,75.84) 46.25,76.07 ; 47.02,64.41 arc(47.31,63.71) 48.02,63.41 51.98,63.41 arc(53.11,62.95) 53.57,61.82 ; 47.02,64.41 arc(46.72,63.71) 46.02,63.41 36.13,63.41 arc(35.42,63.12) 35.13,62.41 D77.1 ; 5.85,30.3 arc(5.55,29.59) 4.85,29.3 3.86,29.3 arc(3.07,28.97) 2.74,28.18 2.74,14.78 arc(2.66,14.41) 2.45,14.1 arc(2.25,13.78) 2.17,13.41 2.17,10.43 arc(2.58,9.44) 3.57,9.03 3.57,9.03 3.82,8.78 D144.1 3.96,8.35 ; v1(63.61,6.26) 63.61,7.47 arc(63.75,7.83) 64.11,7.97 64.18,7.97 arc(64.7,8.08) 65.15,8.37 65.43,8.66 arc(65.56,8.74) 65.71,8.78 D147.1 65.88,8.64 65.98,8.53 arc(66.09,8.37) 66.13,8.18 66.13,6.33 arc(66.56,5.27) 67.63,4.83 v1(82.63,4.83) arc(83.69,5.27) 84.13,6.33 D159.1 ; v1(195.98,6.26) 197.34,6.26 arc(198.4,5.82) 198.84,4.76 ; D83.1 149.43,62.41 arc(149.72,63.12) 150.43,63.41 166.28,63.41 arc(167.41,62.95) 167.87,61.82 ; 102.36,8.75 102.36,6.1 arc(102.8,5.04) 103.86,4.6 119.14,4.6 arc(120.2,5.04) 120.64,6.1 D160.1 ; v1(85.33,4.83) 87.48,4.83 ; 46.25,76.07 45.65,76.07 arc(45.45,76.03) 45.27,75.91 ; v1(32.61,88.34) 32.61,88.23 arc(32.9,87.52) 33.61,87.23 36.85,87.23 arc(37.77,86.85) 38.15,85.93 D123.1 arc(38.59,85.64) 38.78,85.2 38.78,83.46 arc(39.07,82.76) 39.78,82.46 54.13,82.46 arc(54.83,82.76) 55.13,83.46 55.13,85.32 arc(55.45,86.12) 56.25,86.45 56.58,86.45 arc(57.02,86.27) D125.1 ; 266.98,41.47 267.58,42.08 arc(267.91,42.29) 268.29,42.37 272.53,42.37 arc(273.24,42.08) 273.53,41.37 273.53,39.05 arc(273.71,38.15) 274.22,37.39 arc(274.98,36.88) 275.88,36.7 277.27,36.7 277.41,36.7 277.71,36.66 278,36.58 278.27,36.47 278.53,36.32 278.76,36.14 278.87,36.03 278.97,35.93 279.15,35.69 279.3,35.43 279.42,35.16 279.49,34.87 279.53,34.58 279.54,34.43 279.54,26.31 arc(279.24,25.61) 278.54,25.31 257.58,25.31 arc(256.87,25.02) 256.58,24.31 D114.1 ; D63.1 30.8,89.34 arc(30.51,88.63) v1(29.8,88.34) 24.42,88.34 ; 76.88,85.2 76.88,83.46 arc(77.17,82.75) 77.88,82.46 ; 76.88,85.2 76.88,83.46 arc(77.17,82.76) 77.88,82.46 92.23,82.46 arc(92.93,82.76) 93.23,83.46 93.23,85.32 arc(93.55,86.12) 94.35,86.45 94.68,86.45 arc(95.12,86.27) D127.1 ; 76.88,85.2 arc(76.69,85.64) D126.1 ; 76.88,85.2 arc(76.69,85.64) D126.1 ; 24.42,88.34 arc(23.71,88.63) 23.42,89.34 23.42,89.89 arc(23.16,90.52) 22.52,90.79 13.88,90.79 arc(13.24,90.52) 12.98,89.89 arc(12.79,89.43) 12.33,89.23 ; 24.42,88.34 arc(23.71,88.04) 23.42,87.34 23.42,87.03 arc(23.3,86.74) 23.02,86.63 23.02,86.63 arc(22.64,86.55) 22.33,86.34 22.25,86.27 arc(21.99,85.87) 21.89,85.4 21.89,82.57 arc(21.72,82.15) 21.29,81.97 arc(20.86,81.79) 20.68,81.37 20.68,78.68 arc(20.61,78.3) 20.39,77.98 ; v1(45.04,38.88) C13.1 45.04,38.17 arc(45.11,37.79) 45.33,37.46 ; 56.02,4.87 55.95,4.94 55.95,5.97 arc(55.36,7.39) 53.95,7.97 53.46,7.97 arc(53.23,8.02) v1(53.04,8.15) ; 250.44,63.41 266.29,63.41 arc(267.42,62.95) 267.89,61.82 ; D82.1 130.38,62.41 arc(130.67,63.12) 131.38,63.41 147.23,63.41 arc(148.36,62.95) 148.82,61.82 ; v1(139.69,6.26) D161.1 arc(139.88,8.33) 140.32,8.15 v1(157.32,8.15) arc(157.77,8.33) D117.1 ; v1(39.8,6.26) 39.8,7.47 arc(39.94,7.83) 40.3,7.97 40.37,7.97 arc(40.89,8.08) 41.33,8.37 41.62,8.66 arc(41.75,8.74) 41.9,8.78 D146.1 arc(42.25,8.33) 42.69,8.15 v1(50.96,8.15) arc(51.4,8.33) D158.1 ; v1(45.04,40.85) 45.04,41.42 ; v1(219.5,4.83) 223.2,4.83 ; 261.53,63.37 245.67,63.37 arc(244.97,63.08) 244.67,62.37 ; v1(6.04,63.41) 9.22,63.41 arc(10.28,62.97) 10.72,61.91 ; 206.57,62.41 arc(206.87,63.12) 207.57,63.41 223.43,63.41 arc(224.56,62.95) 225.02,61.82 ; 182.16,23.72 arc(181.69,24.85) 180.56,25.31 164.71,25.31 arc(164.01,25.02) 163.71,24.31 ; 244.07,61.82 arc(243.61,62.95) 242.48,63.41 226.62,63.41 arc(225.92,63.12) 225.62,62.41 ; 125.01,23.72 arc(124.54,24.85) 123.41,25.31 107.56,25.31 arc(106.86,25.02) 106.56,24.31 ; 49.41,24.31 arc(49.71,25.02) 50.41,25.31 66.26,25.31 arc(67.39,24.85) 67.86,23.72 ; 205.97,61.82 arc(205.51,62.95) 204.38,63.41 188.52,63.41 arc(187.82,63.12) 187.52,62.41 ; 86.91,23.72 arc(86.44,24.85) 85.31,25.31 69.46,25.31 arc(68.76,25.02) 68.46,24.31 ; 105.96,23.72 arc(105.49,24.85) 104.36,25.31 88.51,25.31 arc(87.81,25.02) 87.51,24.31 ; 144.06,23.72 arc(143.59,24.85) 142.46,25.31 126.61,25.31 arc(125.91,25.02) 125.61,24.31 ; 163.11,23.72 arc(162.64,24.85) 161.51,25.31 145.66,25.31 arc(144.96,25.02) 144.66,24.31 ; 255.98,23.72 arc(255.51,24.85) 254.38,25.31 221.86,25.31 arc(221.16,25.02) 220.86,24.31 ; 201.81,24.31 arc(202.11,25.02) 202.81,25.31 218.66,25.31 arc(219.79,24.85) 220.26,23.72 ; 186.92,61.82 arc(186.46,62.95) 185.33,63.41 169.48,63.41 arc(168.77,63.12) 168.48,62.41 ; 182.76,24.31 arc(183.06,25.02) 183.76,25.31 199.61,25.31 arc(200.74,24.85) 201.21,23.72
GND: length 217
  Bottom w0.2: C6.2 46.11,24.85 46.11,21.03 arc(46.73,19.54) 48.21,18.93 73.31,18.93 arc(75.22,18.55) 76.84,17.46 78.72,15.58 arc(79.58,15.01) 80.59,14.81 arc(81.61,15.01) 82.46,15.58 84.34,17.46 arc(85.96,18.55) 87.88,18.93 173.19,18.93 173.62,19.35 ; C12.2 43.28,35.67 arc(43.32,35.55) 43.44,35.48 43.98,35.48 arc(44.13,35.42) 44.18,35.28 v1(44.18,34.37) 44.18,33.82 arc(44.24,33.68) 44.38,33.62 U3.4 ; U2.19 v1(39.62,24.29)
  Bottom w0.4: 44.24,81.07 v1(43.83,81.48) ; D145.3 18.25,10.05 ; D80.3 v1(97.48,59.9) ; 139.49,81.05 v1(139.07,81.48) ; 96.63,42.97 v1(96.2,43.39) ; v1(17.86,85.22) 17.78,85.31 17.78,85.69 ; 24.04,22.42 v1(24.48,21.98) ; D79.3 v1(78.43,59.9) ; 196.64,81.05 v1(196.22,81.48) ; 174.06,3.37 v1(174.5,2.93) ; D156.3 281.26,10.05 ; 14.53,3.37 v1(14.96,2.94) ; 266.76,9.63 v1(266.76,10.05) ; D78.3 v1(59.38,59.9) ; v1(45.97,35.73) 46.28,35.41 C14.2 ; 263.33,81.07 v1(262.91,81.49) ; 115.68,42.97 v1(115.25,43.39) ; U4.5 19.66,79.54 v1(19.82,79.38) ; 149.86,22.42 v1(149.86,21.8) ; D140.3 5.24,86.76 ; D159.3 84.98,10.05 ; 252.67,3.37 v1(253.09,2.94) ; 276.46,3.37 v1(276.89,2.93) ; D104.3 v1(54.61,21.8) ; 257.46,9.66 v1(257.46,10.09) ; 77.58,42.97 v1(77.15,43.39) ; D137.3 280.19,67.2 ; 82.34,81.07 v1(81.92,81.49) ; D115.3 103.24,10.05 ; 234.74,81.05 v1(234.31,81.48) ; 6.16,90.73 v1(5.73,91.16) ; 19.63,85.69 v1(19.63,85.21) ; C2.2 v1(37.39,21.26) 37.54,21.42 C7.2 ; v1(33.1,31.22) C8.2 C9.2 ; D142.3 v1(3.54,46.88) ; 16.89,79.56 v1(17.36,79.09) 17.8,79.54 U4.8 ; D143.3 5.24,28.68 ; 191.88,42.97 v1(191.45,43.39) ; 230.82,60.52 v1(230.82,59.9) ; 133.58,3.37 v1(134.01,2.94) ; 130.81,22.42 v1(130.81,21.8) ; C10.2 v1(35.53,33.19) 35.33,32.99 C11.2 ; D83.3 v1(154.63,59.9) ; 158.54,81.05 v1(158.12,81.48) ; 63.29,81.07 v1(62.87,81.49) ; D136.3 280.19,84.55 ; D148.3 92.71,3.98 ; D82.3 v1(135.58,59.9) ; 208.75,84.96 208.75,84.53 ; 229.98,42.97 v1(229.55,43.39) ; D125.3 56.35,84.55 ; 233.63,9.63 233.63,10.05 ; 132.55,84.96 132.55,84.53 ; v1(39.44,20.34) 39.02,19.93 v1(38.61,20.35) ; D139.3 280.19,27.4 ; 38.34,3.37 v1(38.77,2.94) ; D77.3 v1(40.33,59.9) ; 44.08,38.35 v1(43.7,38.73) ; D152.3 242.94,10.05 ; 168.91,22.42 v1(168.91,21.8) ; 66.73,9.63 v1(66.73,10.06) ; D161.3 140.54,10.05 ; 177.59,81.05 v1(177.17,81.48) ; 228.82,3.37 v1(229.26,2.93) ; 25.21,91.23 v1(24.78,91.66) ; 173.68,60.52 v1(173.68,59.9) ; 261.78,22.42 v1(261.78,21.8) ; 120.44,81.07 v1(120.02,81.49) ; 52.44,9.63 v1(52.44,10.06) ; 189.7,84.96 189.7,84.53 ; 192.72,60.52 v1(192.72,59.9) ; 215.69,81.05 v1(215.26,81.48) ; 170.65,84.96 170.65,84.53 ; 211.77,60.52 v1(211.77,59.9) ; 226.06,22.42 v1(226.06,21.8) ; 172.83,42.97 v1(172.4,43.39) ; D76.3 v1(16.51,59.9) ; D126.3 75.4,84.55 ; 111.76,22.42 v1(111.76,21.8) ; 207.01,22.42 v1(207.01,21.8) ; D119.3 195.38,10.05 ; 210.93,42.97 v1(210.5,43.39) ; D123.3 37.3,84.55 ; 134.73,42.97 v1(134.3,43.39) ; 62.15,3.37 v1(62.58,2.94) ; 227.8,84.96 227.8,84.53 ; 101.39,81.07 v1(100.97,81.49) ; 58.53,42.97 v1(58.1,43.39) ; D162.3 177.06,10.05 ; 249.87,60.52 v1(249.87,59.9) ; D141.3 3.96,67.2 ; D81.3 v1(116.53,59.9) ; 39.49,42.97 v1(39.07,43.39) ; 260.93,42.97 v1(260.51,43.39) ; D157.3 v1(28.63,10.05) ; 209.83,9.66 v1(209.83,10.09) ; 153.78,42.97 v1(153.35,43.39) ; 151.6,84.96 151.6,84.53 ; D160.3 121.49,10.05 ; 205.03,3.37 v1(205.46,2.94) ; D127.3 94.45,84.55 ; 42.91,9.63 v1(42.91,10.06) ; D135.3 251.61,84.55 ; 187.96,22.42 v1(187.96,21.8) ; D128.3 113.5,84.55 ; D106.3 v1(92.71,21.8) ; D163.3 v1(219.12,10.05) ; D144.3 4.81,10.05 ; D105.3 v1(73.66,21.8) ; 13.28,42.97 v1(12.86,43.39) ; D117.3 158.8,10.05 ; D138.3 280.19,46.45 ; 45.91,72.9 arc(46.18,72.95) v1(46.42,73.1)
  Bottom w0.6: SW1.2 SW1.2 ; U5.1 v2(46.25,38.32) ; v2(42.52,30.53) 43.05,30.53 C4.2 ; C1.2 39.52,34.92 v2(39.1,35.34) 38.69,34.93 C3.2 ; 22.34,89.34 21.45,88.45 21.45,88.42 ; 14.95,88.42 14.95,88.45 14.06,89.34
  vias: v1(3.96,67.2) v1(4.81,10.05) v1(5.25,86.76) v1(5.25,28.68) v1(18.25,10.05) v1(37.3,84.54) v1(56.35,84.54) v1(75.4,84.54) v1(84.98,10.05) v1(92.71,3.98) v1(94.45,84.54) v1(103.24,10.05) v1(113.5,84.54) v1(121.49,10.05) v1(132.55,84.53) v1(140.54,10.05) v1(151.6,84.53) v1(158.8,10.05) v1(170.65,84.53) v1(177.06,10.05) v1(189.7,84.53) v1(195.38,10.05) v1(208.75,84.53) v1(227.8,84.53) v1(233.63,10.05) v1(242.94,10.05) v1(251.61,84.54) v1(280.19,84.54) v1(280.19,67.2) v1(280.19,46.44) v1(280.19,27.39) v1(281.26,10.05) v2(27.49,47.3)
